# Altium PCB Time4CM4_PCIeCarrier_PCB.PcbDoc (part 5 of 5)
Units mil, origin at the board's own origin, x right, y up, seen from the top; angles counter-clockwise.
Board outline 4413.39 x 2736.22 mil, 6 copper layers (Top Layer, Int1 (GND), Int2 (Sign), Int3 (Sign), Int4 (PWR), Bottom Layer), stack 69.312 mil thick; 188 components, 283 nets, 1105 pads, 686 vias.
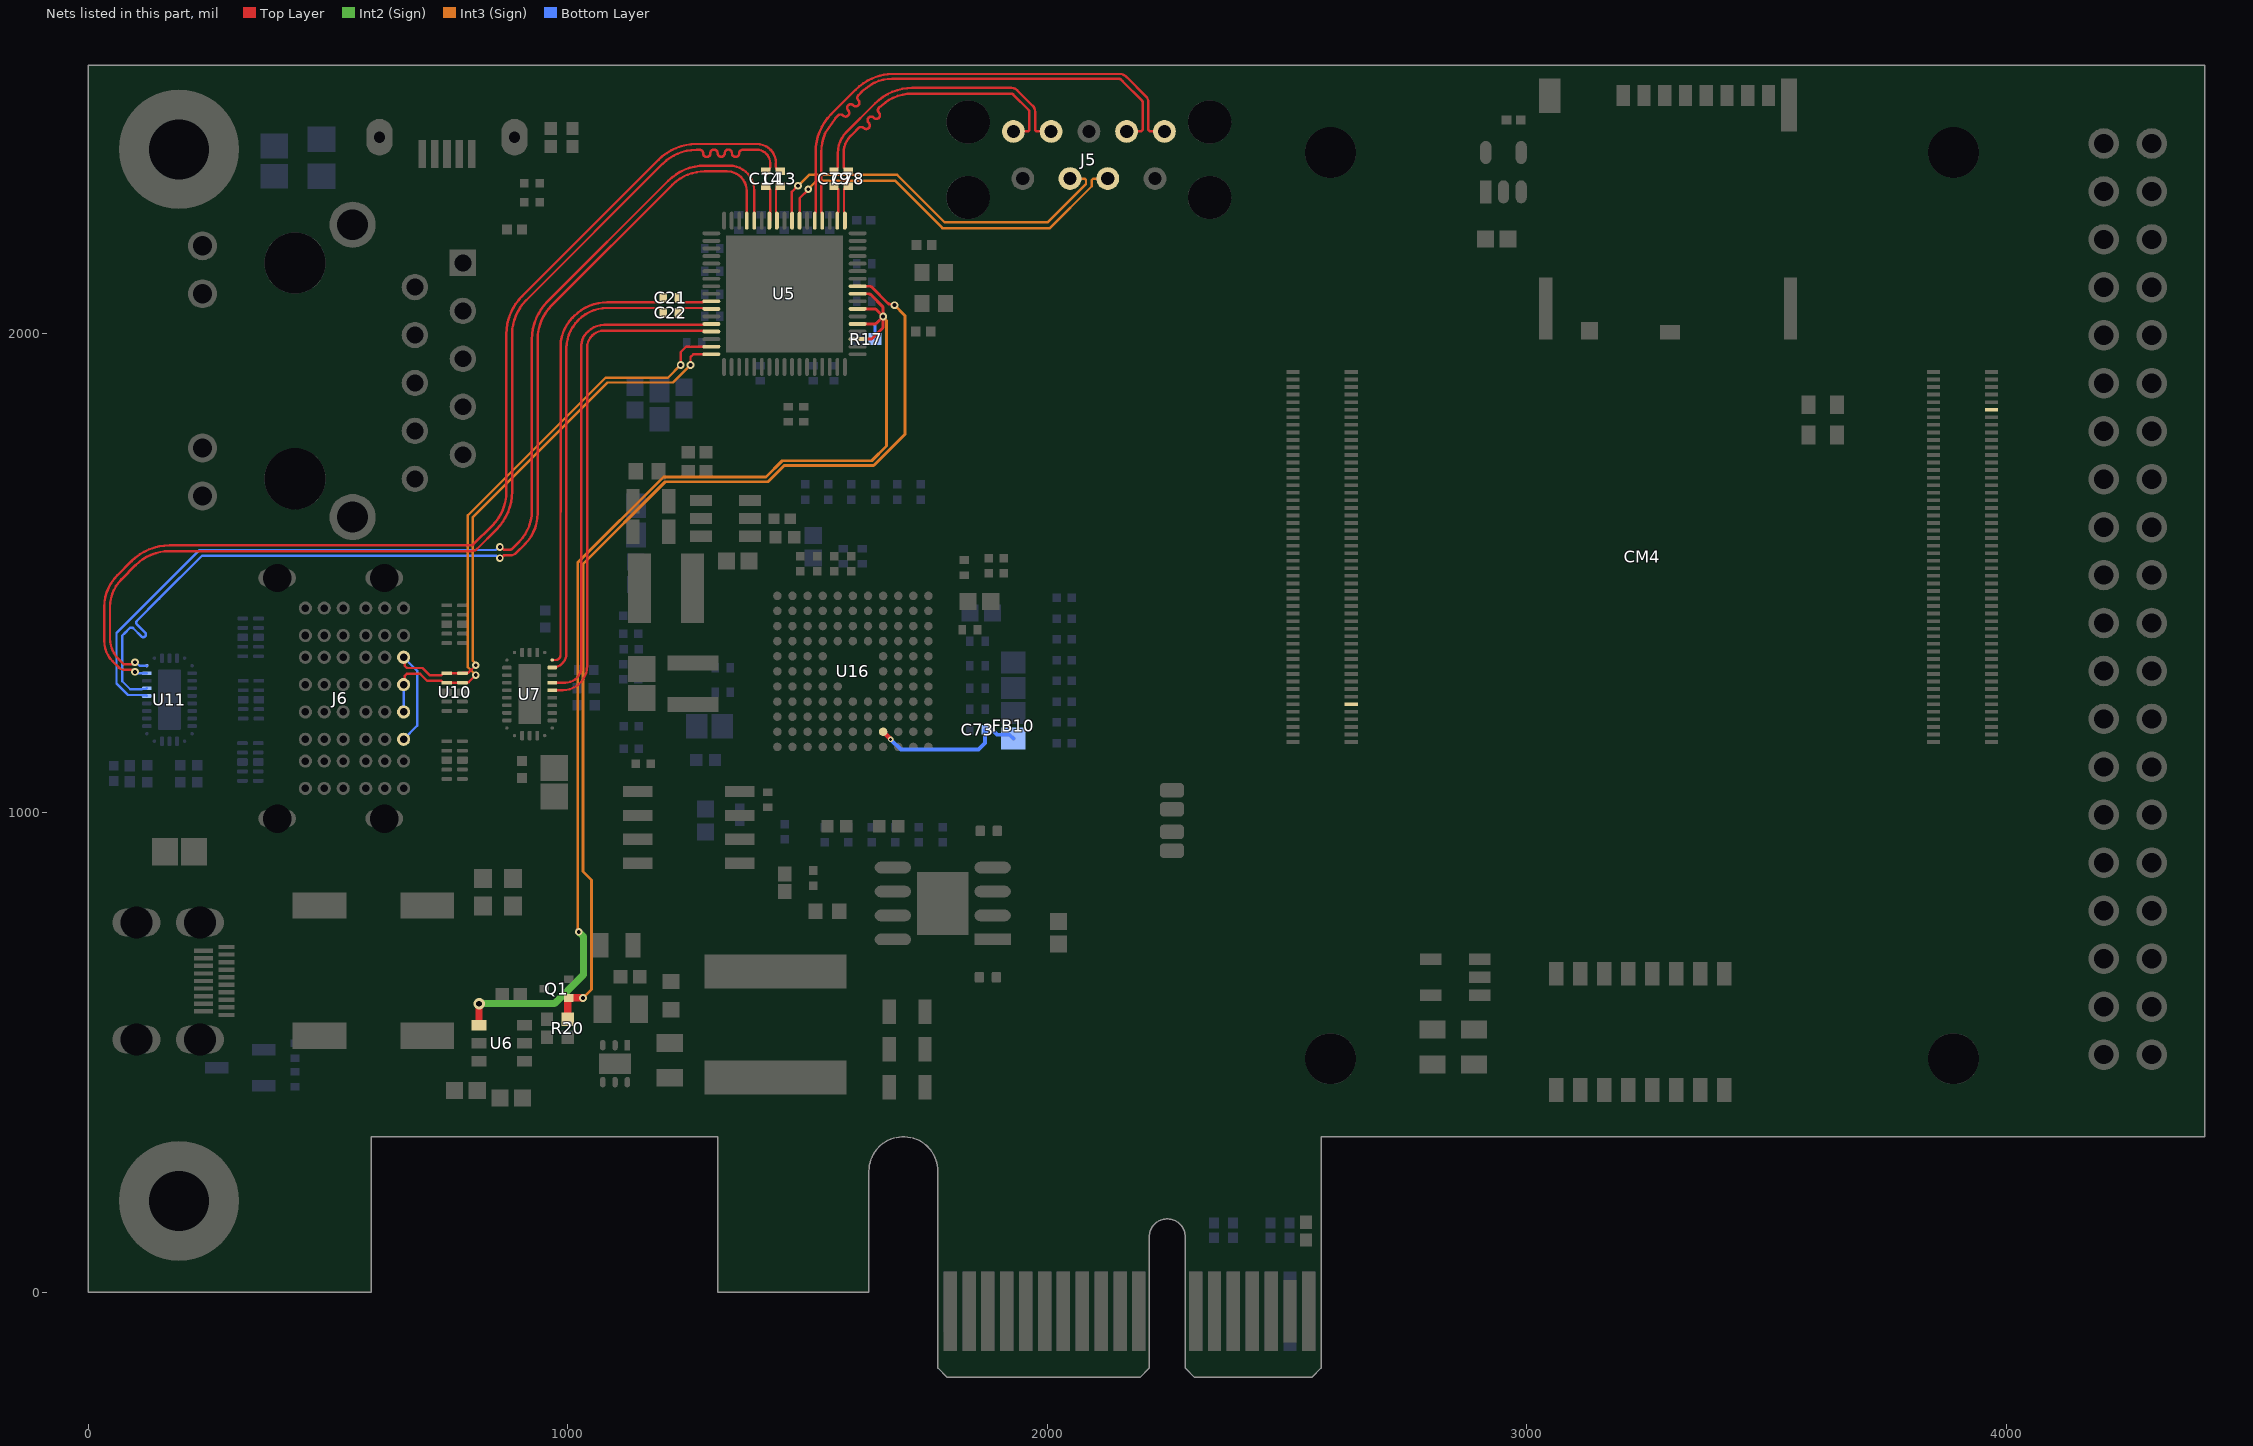
[diagram p9: the nets of this part, all layers, seen from the top]

## Via types
v1: diameter 16, hole 8, Top Layer to Bottom Layer, tented both sides, 372 vias
v2: diameter 20, hole 10, Top Layer to Bottom Layer, tented both sides, 88 vias
v3: diameter 12, hole 6, Top Layer to Bottom Layer, tented both sides, 87 vias
v4: diameter 24, hole 12, Top Layer to Bottom Layer, tented both sides, 69 vias
v5: diameter 19.68, hole 7.87, Top Layer to Bottom Layer, tented both sides, 36 vias
v6: diameter 32, hole 16, Top Layer to Bottom Layer, tented both sides, 19 vias
v7: diameter 19.68, hole 7.87, Top Layer to Bottom Layer, 12 vias
v8: diameter 16, hole 6, Top Layer to Bottom Layer, tented both sides, 2 vias
v9: diameter 80, hole 40, Top Layer to Bottom Layer, tented both sides, 1 vias

## Nets (pads, with @x,y where several pads share a name; then routed paths per layer and width w, separated by ;. In a path a pad name is that pad's centre, name@x,y a point inside that pad or via, vN(x,y) a via of type N, cw(c..) or ccw(c..) an arc to the next point about the centre after c; other vN are vias at no path point) (continued)
USB_D2_N: J6.A7-A J6.B7-A U5.17 U10.1 U10.10 | length 1338.3
  Top Layer w5: J6.B7-A@657.48,1324.8 659.7,1322.58 659.7,1306.93 664.37,1302.26 696.99,1302.26 706.32,1292.93 711.76,1287.5 736.31,1287.5 740.16,1291.34 U10.1@747.34,1291.34 U10.10@780.22,1291.34 781.65,1292.78 792.78,1292.78 v1(808.07,1308.07) ; v1(1255.91,1934.06) 1255.91,1950.79 1261.81,1956.69 U5.17@1299.21,1956.69
  Int3 (Sign) w5: v1(808.07,1308.07) 808.07,1311.05 801.34,1317.78 801.34,1616.3 1082.68,1897.64 1219.49,1897.64 v1(1255.91,1934.06)
  Bottom Layer w5: J6.A7-A@657.48,1153.54 686.02,1182.09 686.02,1296.26 J6.B7-A@657.48,1324.8
USB_D2_P: J6.A6-A J6.B6-A U5.16 U10.2 U10.9 | length 1249.6
  Top Layer w5: J6.B6-A@657.48,1267.72 659.7,1269.94 659.7,1285.59 664.37,1290.26 692.02,1290.26 706.79,1275.5 736.31,1275.5 740.16,1271.65 U10.2@747.34,1271.65 U10.9@780.22,1271.65 781.42,1272.86 793.53,1272.86 v1(808.07,1287.4) ; v1(1235.24,1934.06) 1235.24,1960.63 1247.05,1972.44 U5.16@1299.21,1972.44
  Int3 (Sign) w5: v1(808.07,1287.4) 791.34,1304.13 791.34,1620.44 1078.53,1907.64 1208.82,1907.64 v1(1235.24,1934.06)
  Bottom Layer w5: J6.A6-A@657.48,1210.63 J6.B6-A@657.48,1267.72
USB_D_INT_N: J5.2 U5.59 | length 792.3
  Top Layer w5: U5.59@1467.9,2249.02 1466.99,2249.93 1466.99,2295.08 v1@1480.2,2308.29
  Int3 (Sign) w5: v1@1479.8,2307.48 1502.97,2330.65 1687.12,2330.65 1786.08,2231.69 2000.33,2231.69 2080.61,2311.97 2080.61,2319.91 2077.69,2322.83 J5.2@2047.24,2322.83
  other v1: 1480.08,2307.82
USB_D_INT_P: J5.3 U5.58 | length 797.1
  Top Layer w5: U5.58@1483.27,2235.24 1483.27,2281.77 1501.83,2300.33 v1@1501.83,2301.12
  Int3 (Sign) w5: v1(1501.35,2300.65) 1501.35,2300.88 1519.12,2318.65 1682.15,2318.65 1781.11,2219.69 2005.3,2219.69 2092.61,2307 2092.61,2319.91 2095.54,2322.83 J5.3@2125.98,2322.83
USB_nOC: R17.1 U5.37 U5.39 U5.41 U5.43 U6.4 | length 2512.7
  Top Layer w6: U5.37@1604.33,1988.19 1631.37,1988.19 ccw(c1631.37,1994.19) 1635.6,1989.93 1655.74,2010.07 ccw(c1651.48,2014.3) 1657.48,2014.3 v1(1657.48,2035.43) ; U5.39@1604.33,2019.69 1639.25,2019.69 ccw(c1639.25,2025.69) 1643.47,2021.42 v1(1657.48,2035.43) ; U5.41@1604.33,2051.18 1639.25,2051.18 cw(c1639.25,2045.18) 1643.47,2049.44 v1(1657.48,2035.43) ; U5.43@1604.33,2082.68 1627.44,2082.68 cw(c1627.44,2076.68) 1631.66,2080.94 1655.74,2056.86 cw(c1651.48,2052.63) 1657.48,2052.63 v1(1657.48,2035.43)
  Top Layer w15: U6.4@814.96,557.09 v4(814.96,602.36)
  Int2 (Sign) w15: v4(814.96,602.36) 972.44,602.36 1032.48,662.4 1032.48,742.13 v1(1022.65,751.96)
  Int3 (Sign) w6: v1(1022.65,751.96) 1020.73,753.87 1020.73,760.41 1020.67,760.47 1020.67,1522.28 1199.18,1700.79 1413.39,1700.79 1447.01,1734.41 1633.65,1734.41 1664.37,1765.13 1664.37,2026.92 1657.48,2033.81 v1(1657.48,2035.43)
  Bottom Layer w6: R17.1@1640.75,1988.19 1640.75,2018.7 v1(1657.48,2035.43)
USB_nPWR: Q1.1 R20.1 U5.44 | length 2149.6
  Top Layer w6: U5.44@1604.33,2098.43 1629.55,2098.43 cw(c1629.55,2092.43) 1633.81,2096.65 1667.71,2062.74 ccw(c1671.97,2066.97) 1671.97,2060.97 1676.7,2060.97 cw(c1676.7,2054.97) 1680.95,2059.21 1681.04,2059.12 cw(c1676.86,2054.81) v1(1681.1,2059.06)
  Top Layer w15: R20.1@1000,569.88 1000,613.8 1000.75,614.55 1030.85,614.55 1031.23,614.17 v1(1031.5,614.17)
  Int3 (Sign) w6: v1(1031.5,614.17) 1049.21,631.89 1049.21,860.51 1031.5,878.23 1031.5,1518.96 1203.32,1690.79 1417.53,1690.79 1451.15,1724.41 1637.8,1724.41 1702.76,1789.37 1702.76,2037.4 v1(1681.1,2059.06)
USB_RX1_N: U5.65 U11.7 | length 2252.8
  Top Layer w5: v1(858.27,1531.5) 861.14,1531.5 866.7,1537.06 880.01,1537.06 ccw(c880.01,1554.06) 891.99,1541.99 910.01,1560.01 ; 910.03,1560.03 ccw(c844.85,1625.18) 937.01,1625.18 937.01,1987.59 cw(c1037.01,1987.59) 966.3,2058.3 1218,2310 cw(c1285.6,2242.4) 1268.93,2336.54 cw(c1285.6,2242.4) 1285.6,2338 1332.03,2338 cw(c1332.03,2297) 1341.28,2336.94 cw(c1332.03,2297) 1360.4,2326.6 cw(c1332.03,2297) 1361.63,2325.37 cw(c1332.03,2297) 1373.03,2297 U5.65@1373.03,2235.24
  Bottom Layer w5: U11.7@122.05,1259.84 120.61,1258.41 112.21,1258.41 111.78,1257.97 87.6,1257.97 70.87,1274.7 70.87,1370.08 76.4,1375.61 85.94,1385.15 cw(c89.83,1381.27) 93.72,1385.15 110.63,1368.25 ccw(c114.52,1372.13) 118.41,1368.25 ccw(c114.52,1372.13) 118.41,1376.02 101.5,1392.93 cw(c105.39,1396.82) 101.5,1400.71 147.71,1446.92 237.2,1536.42 850.37,1536.42 855.29,1531.5 v1(858.27,1531.5)
USB_RX1_P: U5.64 U11.6 | length 2256
  Top Layer w5: v1(858.27,1554.61) 861.14,1554.61 866.7,1549.06 880.01,1549.06 ccw(c880.01,1554.06) 883.53,1550.5 898.01,1564.99 ; 898.03,1565 ccw(c832.85,1630.15) 925.01,1630.15 925.01,1987.59 cw(c1037.01,1987.59) 957.81,2066.78 1209.51,2318.49 cw(c1285.6,2242.4) 1285.6,2350 1337,2350 cw(c1337,2298.22) 1358.77,2345.2 cw(c1337,2298.22) 1383.98,2319.99 cw(c1337,2298.22) 1386.91,2312.02 cw(c1337,2298.22) 1388.78,2298.22 U5.64@1388.78,2235.24
  Bottom Layer w5: 91.94,1246.06 111.78,1246.06 112.31,1245.53 120.61,1245.53 U11.6@122.05,1244.09 ; 92.63,1245.97 82.63,1245.97 58.87,1269.73 58.87,1375.05 232.23,1548.42 849.84,1548.42 856.04,1554.61 v1(858.27,1554.61)
USB_RX2_N: U5.14 U7.6 | length 1045.4
  Top Layer w5: U7.6@967.52,1255.91 989.43,1255.91 ccw(c989.43,1306.83) 1040.35,1306.83 1040.35,1970.8 cw(c1075.2,1970.8) 1050.56,1995.44 cw(c1075.59,1970.41) 1075.59,2005.81 1281.8,2005.81 1283.67,2003.94 U5.14@1299.21,2003.94
USB_RX2_P: U5.13 U7.7 | length 1044.6
  Top Layer w5: U7.7@967.52,1271.65 995.04,1271.65 ccw(c995.04,1304.97) 1028.35,1304.97 1028.35,1975.77 cw(c1063.2,1975.77) 1038.55,2000.4 1042.07,2003.93 cw(c1075.59,1970.41) 1075.59,2017.81 1281.8,2017.81 1283.67,2019.69 U5.13@1299.21,2019.69
USB_RX_INT_N: J5.5 U5.56 | length 1042.6
  Top Layer w5: U5.56@1514.76,2235.24 1514.76,2250.78 1516.64,2252.65 1516.64,2378.25 cw(c1628.64,2378.25) 1549.4,2457.4 cw(c1628.64,2378.25) 1549.44,2457.44 1600.2,2508.2 cw(c1679.39,2429) 1600.23,2508.23 cw(c1679.39,2429) 1633.92,2531.36 1634.1,2531.43 ccw(c1632.04,2535.99) 1634.16,2531.46 cw(c1676.23,2443.47) 1676.23,2541 1706,2541 ; 1706.04,2541 2155.26,2541 cw(c2145.35,2514.08) 2160.51,2538.43 cw(c2145.35,2514.08) 2165.57,2534.43 2205.78,2494.22 cw(c2193.72,2482.23) 2210.72,2482.23 2210.72,2424.19 2213.65,2421.26 J5.5@2244.09,2421.26
USB_RX_INT_P: J5.6 U5.55 | length 1041.1
  Top Layer w5: U5.55@1530.51,2235.24 1530.51,2250.78 1528.64,2252.65 1528.64,2378.25 cw(c1628.64,2378.25) 1535.64,2415 cw(c1628.64,2378.25) 1536.67,2417.51 1557.93,2448.96 1563.39,2454.42 cw(c1568.7,2449.12) 1574,2454.42 ccw(c1579.3,2459.72) 1584.61,2454.42 ccw(c1579.3,2459.72) 1584.61,2465.03 1584.53,2465.1 cw(c1589.84,2470.41) 1584.53,2475.71 cw(c1589.84,2470.4) 1595.14,2475.71 1595.21,2475.63 ccw(c1600.52,2480.94) 1605.82,2475.63 ccw(c1600.52,2480.94) 1605.82,2486.24 cw(c1611.12,2491.55) 1605.82,2496.85 1614.33,2505.36 1637.5,2521.97 cw(c1676.23,2443.47) 1639.9,2523.1 cw(c1676.23,2443.47) 1676.23,2531 2149.96,2531 cw(c2149.96,2526) 2153.49,2529.54 2157.01,2526.02 2197.28,2485.75 cw(c2193.72,2482.23) 2198.72,2482.23 2198.72,2477.26 2198.72,2424.19 2195.8,2421.26 J5.6@2165.35,2421.26
USB_STX1_N: C14.2 U5.62 | length 93.7
  Top Layer w5: C14.2@1412.93,2307.09 cw(c1412.93,2297.87) 1422.15,2297.87 1422.15,2237.11 cw(c1420.28,2237.11) U5.62@1420.28,2235.24 U5.62@1420.28,2250.78
USB_STX1_P: C13.2 U5.61 | length 93.7
  Top Layer w5: U5.61@1436.02,2250.78 U5.61@1436.02,2235.24 cw(c1436.02,2237.11) 1434.15,2237.11 1434.15,2297.87 cw(c1443.36,2297.87) C13.2@1443.36,2307.09
USB_STX2_N: C22.2 U5.11 | length 74.9
  Top Layer w5: C22.2@1230.31,2043.31 1230.31,2045.28 1238.09,2053.06 1281.8,2053.06 1283.67,2051.18 U5.11@1299.21,2051.18
USB_STX2_P: C21.2 U5.10 | length 74.9
  Top Layer w5: C21.2@1230.31,2074.8 1230.31,2072.83 1238.09,2065.06 1281.8,2065.06 1283.67,2066.93 U5.10@1299.21,2066.93
USB_STX_INT_N: C79.2 U5.53 | length 77.4
  Top Layer w5: C79.2@1555.12,2307.09 1557.09,2307.09 1563.88,2300.29 1563.88,2252.65 1562.01,2250.78 U5.53@1562.01,2235.24
USB_STX_INT_P: C78.2 U5.52 | length 77.4
  Top Layer w5: U5.52@1577.76,2235.24 1577.76,2250.78 1575.88,2252.65 1575.88,2300.29 1582.68,2307.09 C78.2@1584.65,2307.09
USB_TX1_N: C14.1 U11.10 | length 2284.5
  Top Layer w5: 62.96,1321.01 cw(c105.89,1363.89) 45.21,1363.89 45.21,1429.62 cw(c126.38,1429.62) 68.96,1486.99 ; 62.99,1320.99 72.23,1311.74 ccw(c75.75,1315.29) 75.75,1310.29 90.46,1310.29 94.46,1314.29 v1(97.44,1314.29) ; 68.99,1487.01 98.75,1516.78 cw(c169.46,1446.07) 169.46,1546.07 799.03,1546.07 ccw(c799.03,1563.07) 811.01,1551.01 851.05,1591.05 ccw(c771.86,1670.25) 851.09,1591.09 ccw(c771.86,1670.25) 883.86,1670.25 883.86,1998.44 cw(c983.86,1998.44) 913.15,2069.15 1197.71,2353.71 cw(c1268.42,2283) 1257.27,2382.38 cw(c1268.42,2283) 1259.77,2382.62 1268.42,2383 1274.77,2383 cw(c1274.77,2375.5) 1282.27,2375.5 1282.27,2375.44 ccw(c1289.77,2375.44) 1297.27,2375.44 1297.27,2375.99 cw(c1304.77,2375.99) 1312.27,2375.99 ccw(c1319.77,2375.99) 1327.27,2375.99 cw(c1334.77,2375.99) 1342.27,2375.99 1342.27,2375.5 ccw(c1349.77,2375.5) 1357.27,2375.5 cw(c1364.77,2375.5) 1364.77,2383 1387.62,2383 1394.18,2383 cw(c1394.18,2355.18) 1422,2355.18 1422,2347.65 cw(c1412.93,2347.65) C14.1@1412.93,2338.58
  Bottom Layer w5: v1(97.44,1314.29) 99.56,1314.29 106.76,1307.09 U11.10@122.05,1307.09
USB_TX1_P: C13.1 U11.9 | length 2280.4
  Top Layer w5: v1(97.44,1294.29) 94.46,1294.29 90.46,1298.29 75.75,1298.29 cw(c75.75,1315.29) 63.81,1303.19 50.99,1316.01 cw(c93.89,1358.92) 33.21,1358.92 33.21,1429.62 cw(c126.38,1429.62) 60.5,1495.5 90.27,1525.27 cw(c169.46,1446.07) 90.31,1525.31 cw(c169.46,1446.07) 169.46,1558.07 799.03,1558.07 ccw(c799.03,1563.07) 802.55,1559.52 842.57,1599.54 ccw(c771.86,1670.25) 871.86,1670.25 871.86,1998.44 cw(c983.86,1998.44) 904.62,2077.59 cw(c983.86,1998.44) 904.66,2077.63 1189.23,2362.2 cw(c1268.42,2283) 1189.26,2362.23 cw(c1268.42,2283) 1268.42,2395 1303,2395 1370,2395 1394.18,2395 cw(c1394.18,2355.18) 1434,2355.18 1434,2347.95 ccw(c1443.36,2347.95) C13.1@1443.36,2338.58
  Bottom Layer w5: v1@103.37,1291.34 U11.9@122.05,1291.34
USB_TX2_N: C22.1 U7.9 | length 937.1
  Top Layer w5: U7.9@967.52,1303.15 974.86,1304.08 ccw(c967.52,1332.63) 997,1332.63 997,1923 996.98,1967.7 cw(c1082.3,1967.7) 997,1969.6 cw(c1082.3,1967.7) 1021.93,2027.99 cw(c1082.3,1967.7) 1021.97,2028.03 cw(c1082.38,1967.62) 1082.38,2053.06 1191.04,2053.06 1198.82,2045.28 C22.1@1198.82,2043.31
USB_TX2_P: C21.1 U7.10 | length 936.7
  Top Layer w5: U7.10@967.52,1318.9 974.54,1318.9 ccw(c974.54,1329) 984.64,1329 984.96,1923 ; 984.98,1923.02 984.98,1972.67 cw(c1070.3,1972.67) 984.98,1973.65 cw(c1070.3,1972.67) 1009.97,2033 1013.48,2036.52 cw(c1082.38,1967.62) 1082.38,2065.06 1109.44,2065.06 1179,2065.06 1191.04,2065.06 1198.82,2072.83 C21.1@1198.82,2074.8
USB_TX_INT_N: C79.1 J5.8 | length 608
  Top Layer w5: C79.1@1559.06,2342.52 1561.02,2342.52 1562.46,2343.96 1562.46,2346.35 1562.99,2346.89 1562.99,2376 cw(c1625.67,2376) 1581.32,2420.29 1641.01,2479.99 ; 1641.05,2480.02 cw(c1718.31,2402.7) 1718.31,2512 1924.96,2512 cw(c1924.96,2495) 1936.93,2507.07 1969.58,2474.42 cw(c1957.5,2462.45) 1974.5,2462.45 1974.5,2424.19 1977.43,2421.26 J5.8@2007.87,2421.26
USB_TX_INT_P: C78.1 J5.9 | length 604.3
  Top Layer w5: C78.1@1578.74,2342.52 1574.99,2346.27 1574.99,2376 cw(c1625.67,2376) 1589.84,2411.84 1594,2416 1606.37,2428.37 cw(c1611.68,2423.07) 1616.98,2428.37 ccw(c1622.29,2433.68) 1627.59,2428.37 ccw(c1622.29,2433.68) 1627.59,2438.98 1627.21,2439.36 cw(c1632.51,2444.67) 1627.21,2449.97 cw(c1632.51,2444.67) 1637.81,2449.97 1638.2,2449.59 ccw(c1643.5,2454.89) 1648.8,2449.59 ccw(c1643.5,2454.89) 1648.8,2460.19 cw(c1654.1,2465.5) 1648.8,2470.8 1649.5,2471.5 1667.67,2485.79 cw(c1718.31,2402.69) 1669.9,2487.1 cw(c1718.31,2402.69) 1718.31,2500 1924.96,2500 cw(c1924.96,2495) 1928.47,2498.56 1961.05,2465.97 ; J5.9@1929.13,2421.26 1959.57,2421.26 1962.5,2424.19 1962.5,2462.45 ccw(c1957.5,2462.45) 1961.06,2465.97
VCC12_A_PHY: C73.2 FB10.2 U16.H2 | length 327.5
  Top Layer w10: U16.H2@1657.48,1169.29 v3(1673.23,1153.54)
  Bottom Layer w8: v3(1673.23,1153.54) 1694.54,1132.23 1856.64,1132.23 1870.08,1145.67 C73.2@1870.08,1173.23 1885.83,1173.23 1896.11,1162.95 1921.63,1162.95 FB10.2@1929.13,1155.44
VDAC_COMP: CM4.111
WL_DIS: CM4.89
pads on no net: CM4.19 CM4.20 CM4.76 CM4.104 CM4.106 CM4.119 J1. J1.10 J2.2 J3.4 J5. J6.A8-A J6.A8-B J6.B8-A J6.B8-B P2.A5 P2.A6 P2.A7 P2.A8 P2.B5 P2.B6 P2.B9 P2.B10 P2.B11 P2.B12 S1.1 S1.16 SD1.9 SD1.10 U2.3 U5.1 U5.2 U5.4 U5.5 U5.7 U5.8 U5.18 U5.20 U5.26 U5.33 U5.34 U5.35 U5.36 U5.38 U5.40 U5.42 U5.51 U7.3 U7.22 U7.23 U7.24 U7.25 U7.26 U11.3 U11.22 U11.23 U11.24 U11.25 U11.26 U16.A1 U16.A3 U16.A5 U16.A11 U16.B3 U16.B4 U16.B5 U16.C4 U16.C5 U16.C11 U16.F11 U16.G9 U16.J1 U16.J6 U16.K5 U16.K6 U16.K7 U16.K11 U16.L1 U16.L6 U16.L7 U16.L10 U16.L11 U17.7 U18.4

## Polygon pours and split planes (outlines as drawn)
GND on Top Layer "GND_L01_P063" (solid, pour order 63): 590.55,0 590.55,324.8 1312.99,324.8 1312.99,0 1627.95,0 1627.95,252.95 cw(c1699.8,252.95) 1771.65,252.95 1771.65,-157.48 1791.34,-177.17 2192.91,-177.17 2212.6,-157.48 2212.6,116.14 cw(c2250,116.14) 2287.4,116.14 2287.4,-157.48 2307.09,-177.17 2551.18,-177.17 2570.87,-157.48 2570.87,324.8 4413.39,324.8 4413.39,2559.05 0,2559.06 0,0
NetC56_1 on Top Layer "NETC56_1_L01_P027" (solid, pour order 27): 1161.42,1389.76 1133.86,1389.76 cw(c1133.86,1405.51) 1118.11,1405.51 1118.11,1720.47 cw(c1133.86,1720.47) 1133.86,1736.22 1149.61,1736.22 cw(c1149.61,1720.47) 1165.35,1720.47 1165.35,1562.99 1177.17,1551.18 1177.17,1472.44 1177.17,1405.51 cw(c1161.42,1405.51)
GND on Top Layer "GND_L01_P058" (solid, pour order 58): 0,1476.38 590.55,1476.38 590.55,374.02 0,374.02
3V3 on Top Layer "3V3_L01_P059" (solid, pour order 59): 1230.31,718.5 1199.8,718.5 ccw(c1199.8,709.65) 1192.78,715.04 cw(c959.38,894.11) 1167.39,686.09 cw(c1150.59,702.89) 1150.59,679.13 ccw(c1150.59,664.37) 1135.83,664.37 1135.83,633.35 cw(c1115.66,633.35) 1129.92,619.09 1129.92,562.01 1181.1,562.01 1181.1,607.28 cw(c1193.9,607.28) 1193.9,620.08 1229.33,620.08 ccw(c1229.33,630.91) 1240.16,630.91 1240.16,708.66 ccw(c1230.32,708.66)
1V2_INT on Top Layer "1V2_INT_L01_P040" (solid, pour order 40): 1259.84,1275.59 1205.68,1275.59 ccw(c1205.68,1235.27) 1177.17,1263.78 1177.17,1212.6 1271.65,1212.6 1271.65,1263.78 ccw(c1259.84,1263.78)
GND on Top Layer "GND_L01_P055" (solid, pour order 55): 421.26,826.77 421.26,755.91 ccw(c433.07,755.91) 433.07,744.09 531.5,744.09 ccw(c531.5,755.9) 543.31,755.91 543.31,826.77 ccw(c531.5,826.77) 531.5,838.58 433.07,838.58 ccw(c433.07,826.77)
GND on Top Layer "GND_L01_P054" (solid, pour order 54): 543.31,515.75 543.31,586.61 ccw(c531.5,586.61) 531.5,598.43 433.07,598.43 ccw(c433.07,586.61) 421.26,586.61 421.26,515.75 ccw(c433.07,515.75) 433.07,503.94 531.5,503.94 ccw(c531.5,515.75)
NetFB5_1 on Top Layer "NETFB5_1_L01_P053" (solid, pour order 53): 913.39,850.39 913.39,952.76 ccw(c901.57,952.76) 901.57,964.57 862.2,964.57 ccw(c862.2,952.76) 850.39,952.76 850.39,858.27 ccw(c866.14,858.27) 866.14,842.52 905.51,842.52 ccw(c905.51,850.39)
NetFB6_1 on Top Layer "NETFB6_1_L01_P052" (solid, pour order 52): 846.46,850.39 846.46,952.76 ccw(c834.65,952.76) 834.65,964.57 795.28,964.57 ccw(c795.28,952.76) 783.46,952.76 783.46,858.27 ccw(c799.21,858.27) 799.21,842.52 838.58,842.52 ccw(c838.58,850.39)
EXT_USB_5V on Top Layer "EXT_USB_5V_L01_P049" (solid, pour order 49): 913.39,830.71 801.8,830.71 cw(c801.8,884.47) 773.75,838.6 ccw(c745.86,793) 745.86,846.46 661.42,846.46 ccw(c661.42,830.71) 645.67,830.71 645.67,771.65 913.39,771.65 ccw(c913.39,783.46) 925.2,783.46 925.2,818.9 ccw(c913.39,818.9)
EXT_USB_5V on Top Layer "EXT_USB_5V_L01_P043" (solid, pour order 43): 826.77,496.06 787.4,496.06 cw(c787.4,515.75) 767.72,515.75 767.72,826.77 ccw(c755.91,826.77) 755.91,838.58 657.48,838.58 ccw(c657.48,826.77) 645.67,826.77 645.67,480.31 ccw(c665.35,480.31) 665.35,460.63 826.77,460.63 ccw(c826.77,468.5) 834.65,468.5 834.65,488.19 ccw(c826.77,488.19)
NetC56_1 on Top Layer "NETC56_1_L01_P035" (solid, pour order 35): 1145.67,1736.22 1086.61,1736.22 ccw(c1086.61,1716.54) 1066.93,1716.54 1066.93,1633.86 ccw(c1086.61,1633.86) 1086.61,1614.17 1165.35,1614.17 1165.35,1716.7 ccw(c1145.67,1716.54)
NetL4_1 on Top Layer "NETL4_1_L01_P011" (solid, pour order 11): 1409.45,1444.88 1397.64,1444.88 1291.34,1338.58 1216.54,1338.58 1204.72,1326.77 1204.72,1299.21 1212.6,1291.34 1307.09,1291.34 1318.9,1299.21 1403.88,1388.13 1413.39,1411.08 1413.39,1440.94
GND on Top Layer "GND_L01_P034" (solid, pour order 34): 1976.38,716.54 1976.38,657.48 ccw(c2011.81,657.48) 2011.81,622.05 2090.55,622.05 ccw(c2090.55,657.48) 2125.98,657.48 2125.98,716.54 ccw(c2098.43,716.54) 2098.43,744.09 2003.94,744.09 ccw(c2003.94,716.54)
GND on Top Layer "GND_L01_P035" (solid, pour order 30): 917.32,530.51 885.83,530.51 885.83,551.18 874.02,562.99 857.28,562.99 ccw(c857.28,552.17) 846.46,552.17 846.46,452.76 834.65,440.94 834.65,394.68 ccw(c843.5,394.68) 843.5,385.83 872.05,385.83 ccw(c872.05,391.73) 877.95,391.73 877.95,500 886.81,508.86 917.32,508.86
5V on Top Layer "5V_L01_P029" (solid, pour order 29): 1240.16,413.39 1038.28,413.39 cw(c1038.28,478.37) 982.07,445.76 ccw(c740.28,287.82) 951.83,484.43 ccw(c931.91,465.92) 931.91,493.11 894.69,493.11 ccw(c894.68,484.25) 885.83,484.25 885.83,393.7 ccw(c901.57,393.7) 901.57,377.95 1216.54,377.95 ccw(c1216.54,401.57) 1240.16,401.57
GND on Top Layer "GND_L01_P028" (solid, pour order 28): 1232.28,1663.38 1232.28,1645.67 1251.97,1625.98 1271.65,1625.98 1271.65,1602.36 1236.5,1602.36 ccw(c1345.26,1557.22) 1231.78,1588.67 cw(c1210.3,1596.92) 1224.41,1578.74 cw(c1196.32,1575.96) 1224.41,1573.17 1224.41,1484.25 cw(c1208.66,1484.25) 1208.66,1468.5 1200.79,1468.5 cw(c1200.79,1484.25) 1185.04,1484.25 1185.04,1661.42 cw(c1200.79,1661.42) 1200.79,1677.17 1218.5,1677.17 cw(c1218.5,1663.39)
NetL3_1 on Top Layer "NETL3_1_L01_P026" (solid, pour order 26): 1299.21,1589.57 1254.92,1589.57 ccw(c1254.92,1564.96) 1230.31,1564.96 1230.31,1397.64 ccw(c1250,1397.64) 1250,1377.95 1279.53,1377.95 ccw(c1279.53,1397.64) 1299.21,1397.64
5V on Top Layer "5V_L01_P018" (solid, pour order 18): 1402.56,1588.58 1317.18,1588.58 ccw(c1324.8,1574.8) 1309.06,1574.8 1309.06,1527.56 1356.3,1527.56 1356.3,1557.09 cw(c1364.17,1557.09) 1364.17,1564.96 1402.56,1564.96
5V on Top Layer "5V_L01_P013" (solid, pour order 13): 1309.06,1535.43 1309.06,1437.01 ccw(c1328.74,1437.01) 1328.74,1417.32 1358.27,1417.32 1387.8,1446.85 1387.8,1496.06 1377.95,1505.91 1377.95,1545.28 1318.9,1545.28 ccw(c1318.9,1535.43)
12V_PCIE on Top Layer "12V_PCIE_L01_P012" (solid, pour order 12): 1870.08,216.54 1807.09,216.54 ccw(c1807.09,192.91) 1783.46,192.91 1783.46,35.43 1889.76,35.43 1889.76,196.85 ccw(c1870.08,196.85)
GND on Top Layer "GND_L01_P006" (solid, pour order 6): 1653.54,1962.6 1653.54,1899.61 ccw(c1702.76,1899.61) 1702.76,1850.39 1840.55,1850.39 ccw(c1840.55,1899.61) 1889.76,1899.61 1889.76,1963.58 ccw(c1845.47,1963.58) 1845.47,2007.87 1698.82,2007.87 ccw(c1698.82,1962.6)
GND on Bottom Layer "GND_L04_P009" (solid, pour order 48): 590.55,0 590.55,324.8 1312.99,324.8 1312.99,0 1627.95,0 1627.95,252.95 cw(c1699.8,252.95) 1771.65,252.95 1771.65,-157.48 1791.34,-177.17 2192.91,-177.17 2212.6,-157.48 2212.6,116.14 cw(c2250,116.14) 2287.4,116.14 2287.4,-157.48 2307.09,-177.17 2570.87,-177.17 2570.87,324.8 4413.39,324.8 4413.39,2559.05 0,2559.06 0,0
5V on Bottom Layer "5V_L06_P019" (solid, pour order 19): 1630.29,598.79 1620.87,598.79 ccw(c1620.87,576.35) 1598.43,576.35 1598.43,454.07 ccw(c1622.47,454.07) 1622.47,430.03 1629.97,430.03 ccw(c1629.97,453.6) 1653.54,453.6 1653.54,575.54 ccw(c1630.29,575.54)
12V_PCIE on Bottom Layer "12V_PCIE_L06_P042" (solid, pour order 42): 2047.24,842.52 2047.24,133.86 cw(c2011.81,133.86) 2011.81,98.43 1822.83,98.43 1822.83,248.03 cw(c1850.39,248.03) 1850.39,275.59 1893.7,275.59 ccw(c1893.7,311.02) 1929.13,311.02 1929.13,842.52 cw(c1948.82,842.52) 1948.82,862.2 2027.56,862.2 cw(c2027.56,842.52)
1V2_INT on Bottom Layer "1V2_INT_L06_P046" (solid, pour order 46): 1976.38,1267.72 1925.2,1267.72 1925.2,1212.6 1976.38,1212.6 ccw(c1976.38,1220.47) 1984.25,1220.47 1984.25,1259.84 ccw(c1976.38,1259.84)
NetC11_2 on Bottom Layer "NETC11_2_L06_P033" (solid, pour order 33): 1348.43,1318.9 1338.58,1318.9 ccw(c1338.58,1309.06) 1328.74,1309.06 1328.74,1230.32 1309.06,1210.63 1299.21,1210.63 1299.21,1151.57 1348.43,1151.57 ccw(c1348.43,1161.42) 1358.27,1161.42 1358.27,1309.06 ccw(c1348.43,1309.06)
1V05 on Bottom Layer "1V05_L06_P032" (solid, pour order 32): 1165.35,1543.31 1078.74,1543.31 ccw(c1078.74,1527.56) 1062.99,1527.56 1062.99,1452.76 ccw(c1078.74,1452.76) 1078.74,1437.01 1090.55,1437.01 ccw(c1090.55,1456.69) 1110.24,1456.69 1110.24,1500 1114.17,1503.94 1165.35,1503.94
NetC56_1 on Bottom Layer "NETC56_1_L06_P021" (solid, pour order 21): 1145.67,1736.22 1086.61,1736.22 ccw(c1086.61,1716.54) 1066.93,1716.54 1066.93,1633.86 ccw(c1086.61,1633.86) 1086.61,1614.17 1165.35,1614.17 1165.35,1716.7 ccw(c1145.67,1716.54)
USB_ANA_3V3 on Bottom Layer "USB_ANA_3V3_L06_P020" (solid, pour order 20): 1259.84,1858.27 1259.78,1858.21 1223.37,1858.21 1210.63,1845.47 1170.28,1845.47 1170.28,1796.26 ccw(c1178.15,1796.26) 1178.15,1788.39 1249.02,1788.39 ccw(c1249.02,1799.21) 1259.84,1799.21
12V_PCIE on Bottom Layer "12V_PCIE_L06_P017" (solid, pour order 17): 1844.49,216.54 1866.14,216.54 cw(c1866.14,192.91) 1889.76,192.91 1889.76,35.43 1822.83,35.43 1822.83,194.88 cw(c1844.49,194.88)
3V3 on Bottom Layer "3V3_L06_P009" (solid, pour order 9): 1092.52,1970.47 1092.52,1887.8 ccw(c1112.2,1887.8) 1112.2,1868.11 1163.39,1868.11 1163.39,1864.17 1171.26,1856.3 1202.76,1856.3 ccw(c1202.76,1868.11) 1214.57,1868.11 1214.57,1915.35 1175.2,1954.72 1175.2,1970.47 ccw(c1159.45,1970.47) 1159.45,1986.22 1108.27,1986.22 ccw(c1108.27,1970.47)
3V3 on Int2 (Sign) "3V3_L02_P007" (solid, pour order 66): 590.55,0 590.55,324.8 1312.99,324.8 1312.99,0 1627.95,0 1627.95,252.95 cw(c1699.8,252.95) 1771.65,252.95 1771.65,-157.48 1791.34,-177.17 2192.91,-177.17 2212.6,-157.48 2212.6,116.14 cw(c2250,116.14) 2287.4,116.14 2287.4,-157.48 2307.09,-177.17 2551.18,-177.17 2570.87,-157.48 2570.87,324.8 4413.39,324.8 4413.39,2559.05 0,2559.06 0,0
3V3 on Int2 (Sign) "3V3_L03_P065" (solid, pour order 65): 1224.41,728.35 1196.85,728.35 ccw(c1196.85,712.6) 1181.1,712.6 1181.1,677.17 ccw(c1200.79,677.17) 1200.79,657.48 1240.16,657.48 1240.16,712.6 ccw(c1224.41,712.6)
3V3 on Int2 (Sign) "3V3_L03_P051" (solid, pour order 51): 3157.48,492.13 3102.36,492.13 ccw(c3102.36,480.32) 3090.55,480.32 3090.55,444.88 ccw(c3102.36,444.88) 3102.36,433.07 3157.48,433.07 ccw(c3157.48,444.88) 3169.29,444.88 3169.29,480.32 ccw(c3157.48,480.32)
1V05 on Int2 (Sign) "1V05_L03_P025" (solid, pour order 25): 1102.36,1543.31 1051.18,1543.31 ccw(c1051.18,1523.62) 1031.5,1523.62 1031.5,1448.82 ccw(c1055.12,1448.82) 1055.12,1425.2 1098.43,1425.2 ccw(c1098.43,1448.82) 1122.05,1448.82 1122.05,1523.62 ccw(c1102.36,1523.62)
1V05 on Int2 (Sign) "1V05_L03_P007" (solid, pour order 7): 1594.49,2303.15 1220.47,2303.15 ccw(c1220.47,2263.78) 1181.1,2263.78 1181.1,2007.87 ccw(c1220.47,2007.87) 1220.47,1968.5 1299.21,1968.5 1437.01,1830.71 1614.17,1830.71 ccw(c1614.17,1870.08) 1653.54,1870.08 1653.54,2007.87 ccw(c1558.5,2102.92) 1692.91,2102.92 1692.91,2204.72 ccw(c1594.49,2204.72)
GND on Int3 (Sign) "INT3 GND POUR" (solid, pour order 57): 590.55,0 590.55,324.8 1312.99,324.8 1312.99,0 1627.95,0 1627.95,252.95 cw(c1699.8,252.95) 1771.65,252.95 1771.65,-157.48 1791.34,-177.17 2192.91,-177.17 2212.6,-157.48 2212.6,116.14 cw(c2250,116.14) 2287.4,116.14 2287.4,-157.48 2307.09,-177.17 2551.18,-177.17 2570.87,-157.48 2570.87,324.8 4413.39,324.8 4413.39,2559.05 0,2559.06 0,0
USB_ANA_3V3 on Int3 (Sign) "USB_ANA_3V3_L04_P008" (solid, pour order 8): 1181.1,2283.46 1181.1,1858.27 ccw(c1224.41,1858.27) 1224.41,1814.96 1598.43,1814.96 ccw(c1598.43,1870.08) 1653.54,1870.08 1653.54,2086.61 1673.23,2106.3 1673.23,2283.46 ccw(c1633.86,2283.47) 1633.86,2322.83 1220.47,2322.83 ccw(c1220.47,2283.46)
3V3 on Int3 (Sign) "3V3_L04_P064" (solid, pour order 64): 1932.51,1673.23 1327.05,1673.23 ccw(c1327.05,1510.98) 1212.32,1625.7 1169.57,1582.96 ccw(c1284.3,1468.23) 1122.05,1468.22 cw(c1046.69,1468.22) 1099.97,1414.93 1062.99,1377.95 1062.99,728.35 ccw(c1141.73,728.35) 1141.73,649.61 1428.85,649.61 ccw(c1428.85,811.86) 1543.59,697.13 1560.88,714.43 cw(c1642.01,633.3) 1642.01,748.03 1830.71,748.03 ccw(c1830.71,807.09) 1889.76,807.09 1889.76,1038.53 cw(c2091.39,1038.53) 1918.21,1141.79 ccw(c1730.91,1253.47) 1948.98,1252.51 cw(c18215.62,1181.11) 1955.56,1649.5 ccw(c1932.51,1650.17)
1V2_INT on Int3 (Sign) "1V2_INT_L04_P045" (solid, pour order 45): 1968.5,1397.64 1259.84,1397.64 ccw(c1259.84,1338.58) 1200.79,1338.58 1200.79,1202.76 ccw(c1261.81,1202.76) 1261.81,1141.73 1968.5,1141.73 ccw(c1968.5,1200.79) 2027.56,1200.79 2027.56,1338.58 ccw(c1968.5,1338.58)
NetFB5_1 on Int3 (Sign) "NETFB5_1_L04_P056" (solid, pour order 56): 562.99,1248.03 562.99,1125.98 ccw(c590.55,1125.98) 590.55,1098.43 641.73,1098.43 669.01,1071.15 cw(c601.84,1003.96) 696.6,1010.69 ccw(c724.99,1012.71) 724.99,984.25 830.71,984.25 cw(c830.71,964.57) 850.39,964.57 850.39,901.57 ccw(c862.2,901.57) 862.2,889.76 901.57,889.76 ccw(c901.57,901.57) 913.39,901.57 913.39,1000 809.67,1103.71 cw(c910.96,1205) 767.72,1205 767.72,1220.47 ccw(c740.16,1220.47) 740.16,1248.03
NetFB6_1 on Int3 (Sign) "NETFB6_1_L04_P050" (solid, pour order 50): 377.95,1240.16 377.95,1051.18 543.31,885.83 834.65,885.83 ccw(c834.65,897.64) 846.46,897.64 846.46,952.76 ccw(c834.65,952.76) 834.65,964.57 724.41,964.57 cw(c724.41,1007.87) 681.1,1007.87 ccw(c643.09,1007.88) 669.97,1034.76 618.11,1086.61 574.8,1086.61 cw(c574.8,1106.3) 555.12,1106.3 555.12,1155.29 ccw(c530.83,1155.29) 548,1172.47 523.62,1196.85 cw(c523.62,1208.66) 511.81,1208.66 511.81,1259.84 397.64,1259.84 ccw(c397.64,1240.16)
NetFB5_1 on Int3 (Sign) "NETFB5_1_L04_P044" (solid, pour order 44): 625.98,1283.46 574.8,1283.46 ccw(c574.8,1271.65) 562.99,1271.65 562.99,1204.72 ccw(c574.8,1204.72) 574.8,1192.91 625.98,1192.91 ccw(c625.98,1204.72) 637.8,1204.72 637.8,1271.65 ccw(c625.98,1271.65)
NetFB6_1 on Int3 (Sign) "NETFB6_1_L04_P024" (solid, pour order 24): 500,1283.46 448.82,1283.46 ccw(c448.82,1271.65) 437.01,1271.65 437.01,1204.72 ccw(c448.82,1204.72) 448.82,1192.91 500,1192.91 ccw(c500,1204.72) 511.81,1204.72 511.81,1271.65 ccw(c500,1271.65)
GND on Int4 (PWR) "PWR GND POUR" (solid, pour order 61): 590.55,0 590.55,324.8 1312.99,324.8 1312.99,0 1627.95,0 1627.95,252.95 cw(c1699.8,252.95) 1771.65,252.95 1771.65,-157.48 1791.34,-177.17 2192.91,-177.17 2212.6,-157.48 2212.6,116.14 cw(c2250,116.14) 2287.4,116.14 2287.4,-157.48 2307.09,-177.17 2551.18,-177.17 2570.87,-157.48 2570.87,324.8 4413.39,324.8 4413.39,2559.05 0,2559.06 0,0
5V on Int4 (PWR) "5V_L05_P062" (solid, pour order 62): 3937.01,1830.71 3917.32,1830.71 ccw(c3917.32,1811.02) 3897.64,1811.02 3897.64,1751.97 ccw(c3917.32,1751.97) 3917.32,1732.28 3937.01,1732.28 ccw(c3937.01,1751.97) 3956.69,1751.97 3956.69,1811.02 ccw(c3937.01,1811.02)
NetC68_2 on Int4 (PWR) "NETC68_2_L05_P047" (solid, pour order 47): 1889.76,1535.43 1535.43,1535.43 ccw(c1535.43,1476.38) 1476.38,1476.38 1476.38,1220.47 ccw(c1535.43,1220.47) 1535.43,1161.42 1889.76,1161.42 ccw(c1889.76,1240.16) 1968.5,1240.16 1968.5,1456.69 ccw(c1889.76,1456.69)
GND on Int1 (GND) "INT1 GND POUR" (solid, pour order 60): 590.55,0 590.55,324.8 1312.99,324.8 1312.99,0 1627.95,0 1627.95,252.95 cw(c1699.8,252.95) 1771.65,252.95 1771.65,-157.48 1791.34,-177.17 2192.91,-177.17 2212.6,-157.48 2212.6,116.14 cw(c2250,116.14) 2287.4,116.14 2287.4,-157.48 2307.09,-177.17 2551.18,-177.17 2570.87,-157.48 2570.87,324.8 4413.39,324.8 4413.39,2559.05 0,2559.06 0,0

## Keep-outs
Top Layer:
  region: 0,-1.98 590.55,-1.98 ccw(c590.55,0) 592.53,0 592.53,322.82 1311.01,322.82 1311.01,135.83 ccw(c1312.99,135.83) 1312.99,133.84 1627.95,133.84 ccw(c1627.95,135.83) 1629.94,135.83 1629.94,252.95 cw(c1699.8,252.95) 1769.67,252.95 ccw(c1771.65,252.95) 1773.64,252.95 1773.64,364.17 ccw(c1771.65,364.17) 1771.65,366.16 0,366.16 ccw(c0,364.17) -1.98,364.17 -1.98,0 ccw(c0,0)
Bottom Layer:
  region: 0,-1.98 590.55,-1.98 ccw(c590.55,0) 592.53,0 592.53,322.82 1311.01,322.82 1311.01,135.83 ccw(c1312.99,135.83) 1312.99,133.84 1627.95,133.84 ccw(c1627.95,135.83) 1629.94,135.83 1629.94,252.95 cw(c1699.8,252.95) 1769.67,252.95 ccw(c1771.65,252.95) 1773.64,252.95 1773.64,364.17 ccw(c1771.65,364.17) 1771.65,366.16 0,366.16 ccw(c0,364.17) -1.98,364.17 -1.98,0 ccw(c0,0)
Keep-Out Layer:
  rectangle: 1312.99,0 1627.95,135.83

## Other copper
Top Layer:
  rectangle net 5V: 1185.04,403.54 1240.16,433.07
  rectangle net 5V: 1118.11,409.45 1129.92,437.01
  rectangle net 5V: 1066.93,409.45 1078.74,437.01
  rectangle net 5V: 1208.66,419.32 1314.96,466.57
  pour cut-out: 1753.94,1462.6 1436.02,1462.6 ccw(c1436.02,1453.74) 1427.17,1453.74 1427.17,1136.81 ccw(c1436.02,1136.81) 1436.02,1127.95 1752.95,1127.95 ccw(c1752.95,1136.81) 1761.81,1136.81 1761.81,1454.72 ccw(c1753.94,1454.72)
  region net 5V: 3939,1830 3920,1830 ccw(c3920,1823) 3913,1823 3913,1750 ccw(c3920,1750) 3920,1743 3947,1743 3947,1822 ccw(c3939,1822)
  region net 12V_PCIE: 1867.13,774.61 1961.61,774.61 1975.44,760.78 ccw(c1996.71,782.04) 1996.71,751.97 2029.53,751.97 ccw(c2029.53,773.62) 2051.18,773.62 2051.18,824.8 ccw(c2013.78,824.8) 2013.78,862.2 1873.03,862.2 ccw(c1873.03,837.6) 1848.43,837.6 1848.43,793.31 ccw(c1867.13,793.31)
  region net 5V: 1322.83,559.05 1570.87,559.06 1629.92,618.11 1669.29,618.11 cw(c1669.29,598.43) 1688.98,598.43 1688.98,417.32 cw(c1663.39,417.32) 1663.39,391.73 1275.59,391.73 1275.59,511.81 cw(c1322.83,511.81)
  region net GND: 1728.35,606.3 1728.35,909.45 1673.23,964.57 1673.23,980.31 cw(c1681.1,980.31) 1681.1,988.19 1854.33,988.19 cw(c1854.33,972.44) 1870.08,972.44 1870.08,944.88 1834.65,909.45 1834.65,614.17 1826.77,606.3
  region net GND: 1750,391.73 1801.18,391.73 ccw(c1801.18,417.32) 1826.77,417.32 1826.77,627.95 1728.35,627.95 1728.35,413.39 ccw(c1750,413.39)
  region net NetC2_1: 1866.14,874.02 1866.14,916.06 cw(c1883.45,916.06) 1871.21,928.3 1885.83,942.91 1885.83,963.58 cw(c1894.68,963.58) 1894.69,972.44 1922.24,972.44 cw(c1922.24,959.65) 1935.04,959.65 1935.04,933.07 1935.04,886.81 cw(c1922.24,886.81) 1922.24,874.02
  region net NetC3_2: 1285.43,716.54 1285.43,638.78 ccw(c1315.94,638.78) 1315.94,608.27 1580.71,608.27 1659.45,687.01 1685.04,687.01 ccw(c1685.04,710.63) 1708.66,710.63 1708.66,748.03 1316.93,748.03 ccw(c1316.93,716.54)
  pour cut-out: 2598.43,49.21 1751.97,49.21 1751.97,-187.01 2598.43,-187.01
  region net GND: 2375 vertices and 17 holes, not listed, extent 3507.33,770.46 3994.68,996.57
  region net GND: 414 vertices and 0 holes, not listed, extent 3937.04,835.03 3969.7,867.19
  region net GND: 412 vertices and 0 holes, not listed, extent 3863.57,963.91 3914.53,996.07
  region net GND: 3719.1,864.71 3719.1,864.46 3719.1,864.22 3719.1,863.97 3719.1,863.72 3719.1,863.48 3719.1,863.23 3719.1,862.98 3719.1,862.73 3719.1,862.49 3719.1,862.24 3719.1,861.99 3719.1,861.74 3719.1,861.5 3719.1,861.25 3719.1,861 3719.1,860.75 3719.1,860.51 3719.1,860.26 3719.1,860.01 3719.1,859.76 3719.1,859.52 3719.1,859.27 3719.1,859.02 3719.1,858.77 3719.1,858.53 3719.1,858.28 3719.1,858.03 3719.1,857.79 3719.1,857.54 3719.1,857.29 3719.1,857.04 3719.1,856.8 3719.1,856.55 3719.1,856.3 3719.1,856.05 3719.1,855.81 3719.1,855.56 3719.1,855.31 3719.1,855.06 3719.1,854.82 3719.1,854.57 3719.1,854.32 3719.1,854.07 3719.1,853.83 3719.1,853.58 3719.1,853.33 3719.1,853.08 3719.1,852.84 3719.1,852.59 3719.1,852.34 3700.79,852.34 3700.79,852.59 3700.79,852.84 3700.79,853.08 3700.79,853.33 3700.79,853.58 3700.79,853.83 3700.79,854.07 3700.79,854.32 3700.79,854.57 3700.79,854.82 3700.79,855.06 3700.79,855.31 3700.79,855.56 3700.79,855.81 3700.79,856.05 3700.79,856.3 3700.79,856.55 3700.79,856.8 3700.79,857.04 3700.79,857.29 3700.79,857.54 3700.79,857.79 3700.79,858.03 3700.79,858.28 3700.79,858.53 3700.79,858.77 3700.79,859.02 3700.79,859.27 3700.79,859.52 3700.79,859.76 3700.79,860.01 3700.79,860.26 3700.79,860.51 3700.79,860.75 3700.79,861 3700.79,861.25 3700.79,861.5 3700.79,861.74 3700.79,861.99 3700.79,862.24 3700.79,862.49 3700.79,862.73 3700.79,862.98 3700.79,863.23 3700.79,863.48 3700.79,863.72 3700.79,863.97 3700.79,864.22 3700.79,864.46 3700.79,864.71 3700.79,864.96 3719.1,864.96
  region net GND: 225 vertices and 0 holes, not listed, extent 3753.73,837.01 3771.54,864.46
  pour cut-out: 3572.83,2431.1 3070.87,2431.1 3070.87,1948.82 3513.78,1948.82 3513.78,1968.5 3543.31,1998.03 3572.83,1998.03
  region net NetR5_2: 1688.98,874.02 1688.98,933.07 1665.35,956.69 1665.35,988.19 1566.93,988.19 1566.93,917.32 1610.24,874.02
Bottom Layer:
  pour cut-out: 2598.43,49.21 1751.97,49.21 1751.97,-187.01 2598.43,-187.01

## Silkscreen, mask and mechanical layers (free items; w line width, h text height)
Top Overlay:
  rectangle: 3484.25,541.34 3543.31,620.08
  lines w5: 1926.05,466.16 1928.32,443.12 1935.04,420.96 1945.96,400.54 1960.65,382.65 1978.54,367.96 1998.96,357.04 2021.12,350.32 2044.16,348.05 ; 1926.75,466.16 1926.75,2066.79 1933.73,2089.81 1943.96,2108.94 1958.65,2126.84 1976.54,2141.52 1996.96,2152.44 2014.24,2157.68 2042.16,2160.43 2332.74,2160.43 ; 2046.47,347.43 2445.05,347.43 ; 2332.74,2160.05 2355.79,2162.32 2377.94,2169.04 2398.36,2179.96 2416.26,2194.65 2430.95,2212.54 2441.86,2232.96 2448.59,2255.12 2450.86,2278.16 ; 2443.43,348.32 3931.79,348.32 3953.94,355.04 3974.36,365.96 3992.26,380.65 4006.95,398.54 4017.86,418.96 4026.93,448.86 ; 2451.12,2278.16 2451.05,2418.02 2457.23,2438.38 2471.96,2465.94 2486.65,2483.84 2504.54,2498.52 2524.96,2509.44 2547.12,2516.16 2570.16,2518.43 3908.74,2518.43 3931.79,2516.16 3953.94,2509.44 3974.36,2498.52 3992.26,2483.84 4006.95,2465.94 4017.86,2445.52 4024.59,2423.36 4026.86,2400.32 4026.86,448.86
  lines w6: 2133.86,893.7 2295.28,893.7 2322.83,921.26 2322.83,1047.24 2295.28,1074.8 2133.86,1074.8 2133.86,893.7 ; 3484.25,462.6 3484.25,620.08 3543.31,620.08 3543.31,462.6 3484.25,462.6
  lines w10: 3060.68,738.19 3060.68,798.79 ; 3110.24,738.19 3110.24,767.72 ; 3110.24,768.23 3159.45,768.23 3206.89,768.23 ; 3159.45,738.19 3159.45,767.72 ; 3186.77,769.26 3186.77,798.79 ; 3207.82,738.19 3207.82,767.72 ; 3207.82,768.23 3257.03,768.23 ; 3257.03,738.19 3257.03,767.72 ; 3306.59,738.19 3306.59,767.72 ; 3307.95,768.23 3357.16,768.23 ; 3332.25,768.39 3332.25,798.79 ; 3357.16,738.19 3357.16,767.72
  text "eMMC Boot" at 677.17,2519.69 h30
  text "1.8V" at 3444.88,1831.35 h60
  text "3.3V" at 3444.88,1762.5 h60
  text "GPIO  / Voltage" at 3518.34,1633.86 h60
  text "Disable if CM4 present" at 3152.07,1381.65 h60 r270
  text "Disable eMMC Boot" at 3044.98,1292.63 h60 r270
  text "Enable CM4  / serial console" at 3297.16,1242.11 h60 r270
  text "RX0" at 2141.86,1031.62 h30
  text "TX0" at 2141.86,992.25 h30
  text "RX1" at 2141.86,945.01 h30
  text "TX1" at 2141.86,905.64 h30
  text "ON" at 3553.15,561.66 h60
  text "OFF" at 3553.15,482.92 h60
Top Solder:
  rectangle: 1312.99,0 1627.95,135.83
  rectangle: 1748.03,-181.1 2602.36,49.21
  text "designed by" at 3111.04,1530.89 h50
  text "ocptap.com" at 3108.04,1449.49 h90
Bottom Solder:
  rectangle: 1312.99,0 1627.95,135.83
  rectangle: 1748.03,-181.1 2602.36,49.21
Mechanical 1:
  lines w3.94: 1627.95,252.95 cw(c1699.8,252.95) 1771.65,252.95
  lines w8: 0,0 590.55,0 590.55,324.8 1312.99,324.8 1312.99,0 1627.95,0 1627.95,252.95 cw(c1699.8,252.95) 1771.65,252.95 1771.65,-157.48 1791.34,-177.17 2192.91,-177.17 2212.6,-157.48 2212.6,116.14 cw(c2250,116.14) 2287.4,116.14 2287.4,-157.48 2307.09,-177.17 2551.18,-177.17 2570.87,-157.48 2570.87,324.8 4413.39,324.8 4413.39,2559.05 0,2559.06 0,0
OUTLINE:
  lines w3.94: 1627.52,253.91 cw(c1699.37,253.91) 1771.22,253.91

## Text inside footprints (layer, text, board x,y; h text height)
CM4: NCLEGEND-1-6 "CAM0" at 2531.95,1466.22 h27.56 r270; NCLEGEND-1-6 "HDMI1" at 2528.01,1669.96 h27.56 r270; NCLEGEND-1-6 "USB" at 2575.26,1272.64 h27.56 r270; NCLEGEND-1-6 "3V3" at 3862.66,1774.95 h27.56 r270; NCLEGEND-1-6 "HDMI0" at 2531.95,1843.84 h27.56 r270; NCLEGEND-1-6 "CAM1" at 2575.26,1464.9 h27.56 r270; NCLEGEND-1-6 "Wireless / Cutout" at 3175.92,1791.34 h1; NCLEGEND-1-6 "DSI0" at 2575.26,1709 h27.56 r270; NCLEGEND-1-6 "TV" at 2571.32,1327.11 h27.56 r270; NCLEGEND-1-6 "SD" at 3886.28,1710.65 h27.56 r270; NCLEGEND-1-6 "DS1" at 2551.64,1949.16 h27.56 r270; NCLEGEND-1-6 "ETH" at 3890.22,1248.37 h27.56 r270; NCLEGEND-1-6 "1V8" at 3862.66,1877.32 h27.56 r270; NCLEGEND-1-6 "GPIO" at 3890.22,1459.99 h27.56 r270; NCLEGEND-1-6 "5V" at 3909.9,1825.16 h27.56 r270; NCLEGEND-1-6 "PCIe" at 2531.95,1315.3 h27.56 r270
J4: Top Overlay "1" at 4178.15,2517.71 h77.5 r270; Top Overlay "2" at 4278.15,2517.71 h77.5 r270; Top Overlay "39" at 4178.15,414.92 h77.5 r270; Top Overlay "40" at 4278.15,414.92 h77.5 r270; Mechanical 40 "2.540" at 4248.15,2544.56 h15.5 r270; Mechanical 40 "5.029" at 4248.15,2618.07 h15.5 r270; Mechanical 40 "2.540" at 4408.15,2524.56 h15.5 r270; Mechanical 40 "50.800" at 4105.87,1477.56 h15.5 r270; Mechanical 40 "48.260" at 4448.15,1477.56 h15.5 r270; PLACE_BOUND_BOTTOM "1" at 4178.15,2517.71 h77.5 r270; PLACE_BOUND_BOTTOM "2" at 4278.15,2517.71 h77.5 r270; PLACE_BOUND_BOTTOM "39" at 4178.15,414.92 h77.5 r270; PLACE_BOUND_BOTTOM "40" at 4278.15,414.92 h77.5 r270
J6: Mechanical 1 "PCB Edge" at 4.19,1014.76 h11.81 r270